# KiCad board coleco_original_main_only.kicad_pcb
title: Reverse Engineer Colecovision; date: 2023-03-14; rev: DEV; company: sparkletron; note: Jay Convertino; note: MIT LICENSE
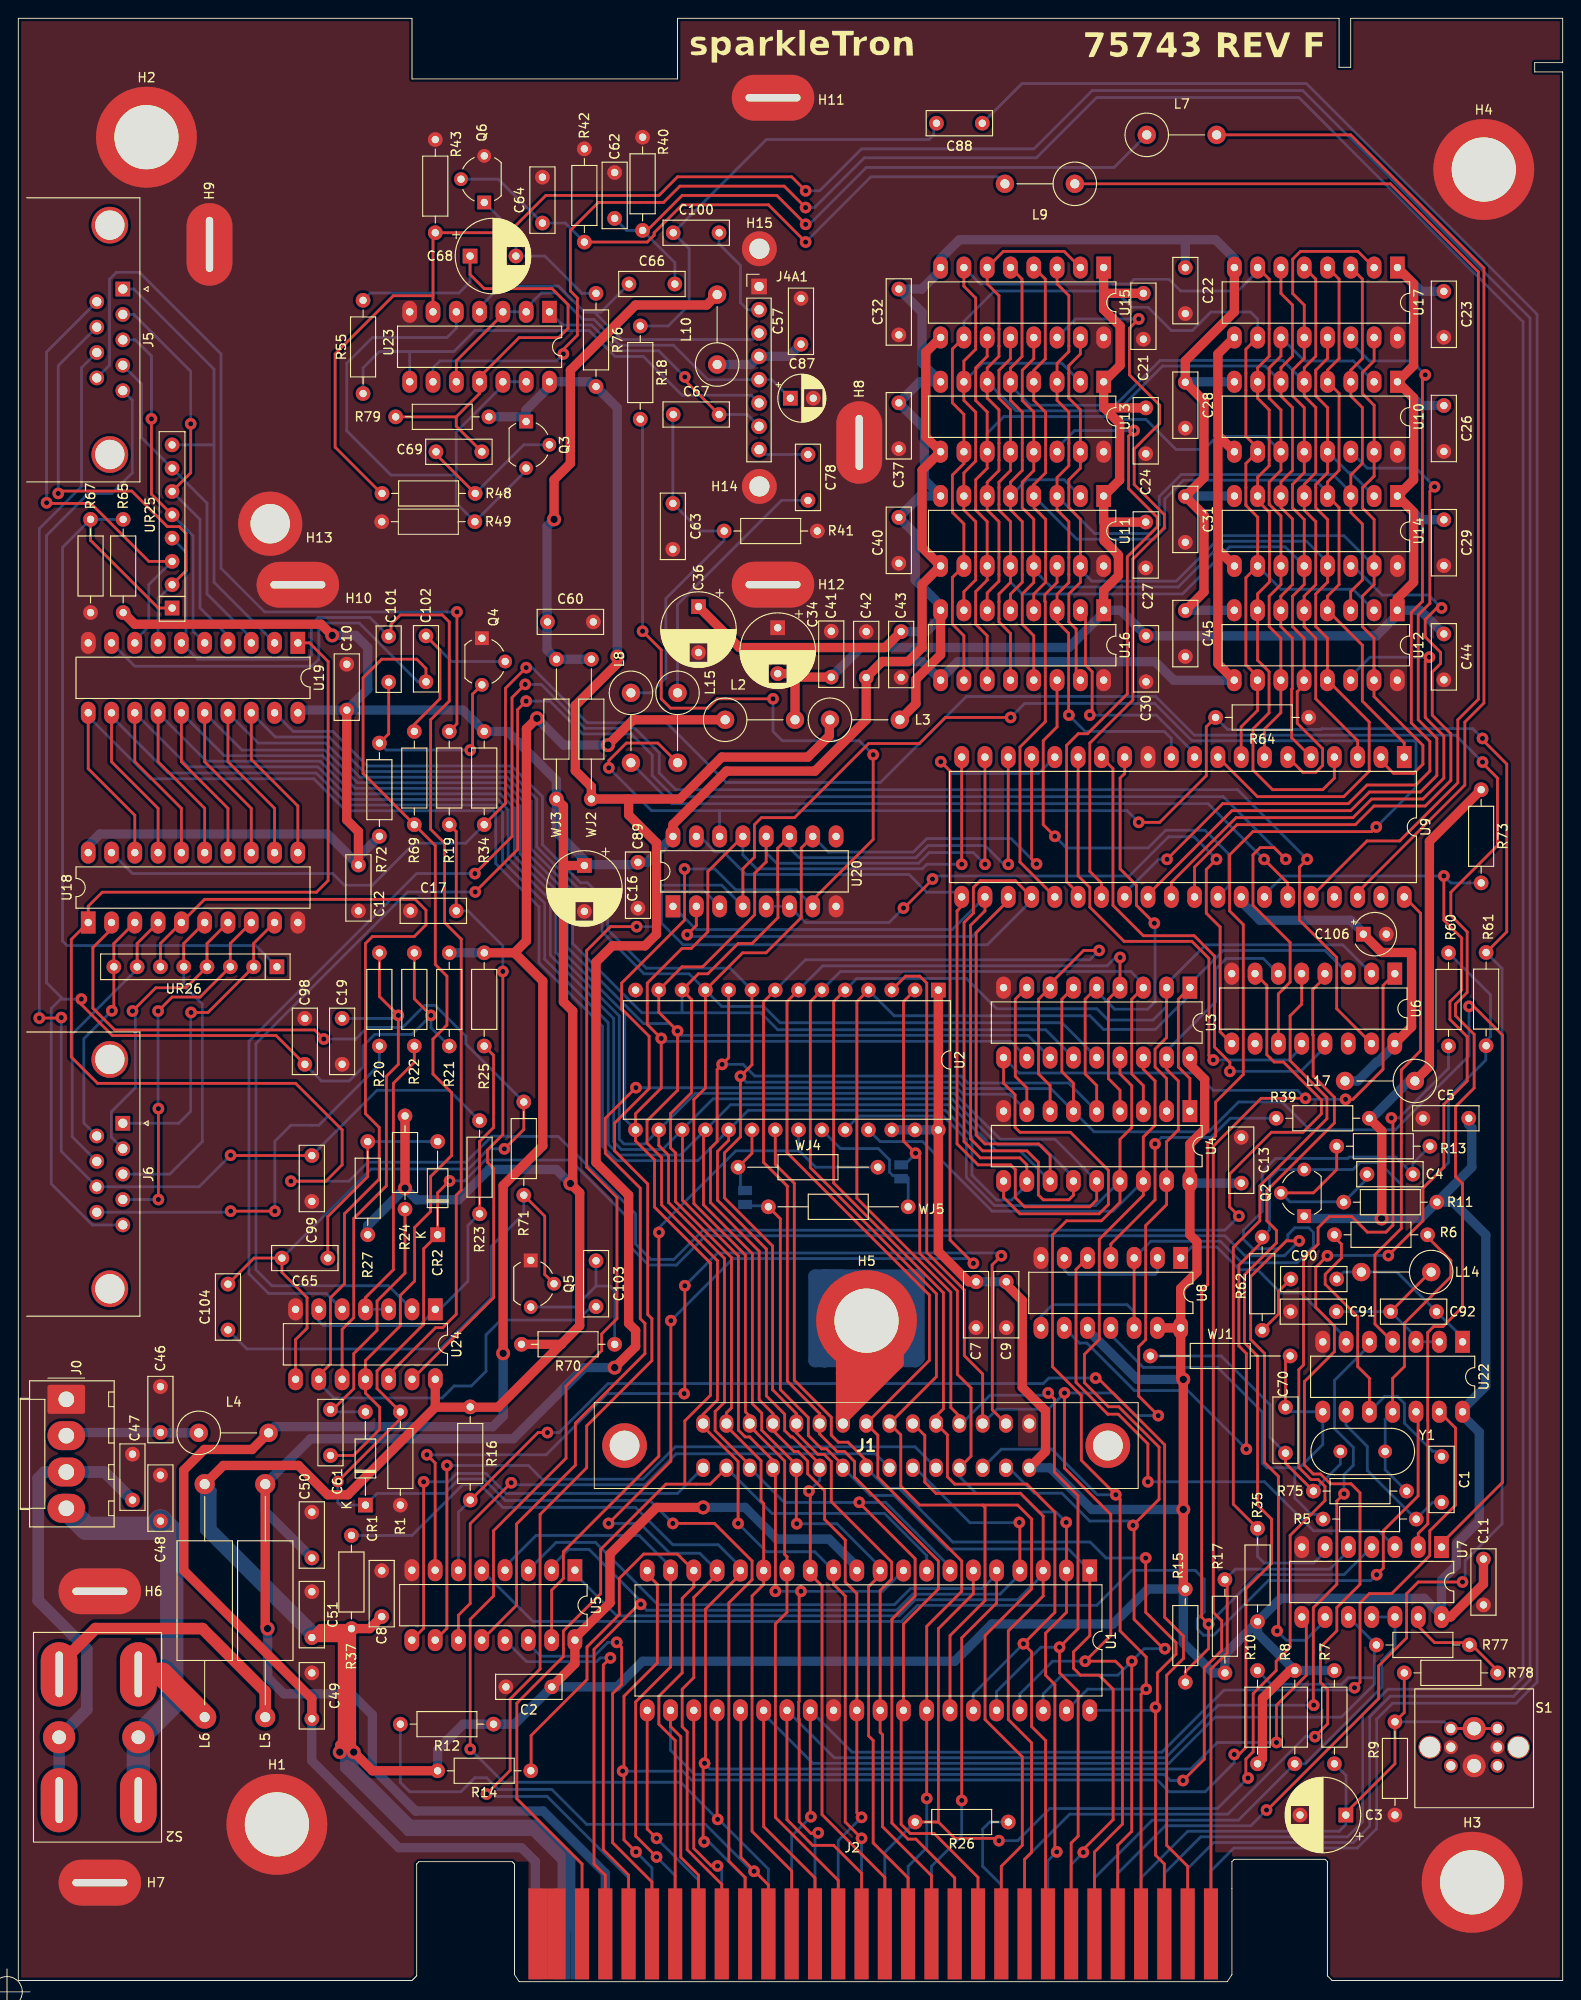
[diagram p0: board, top side]
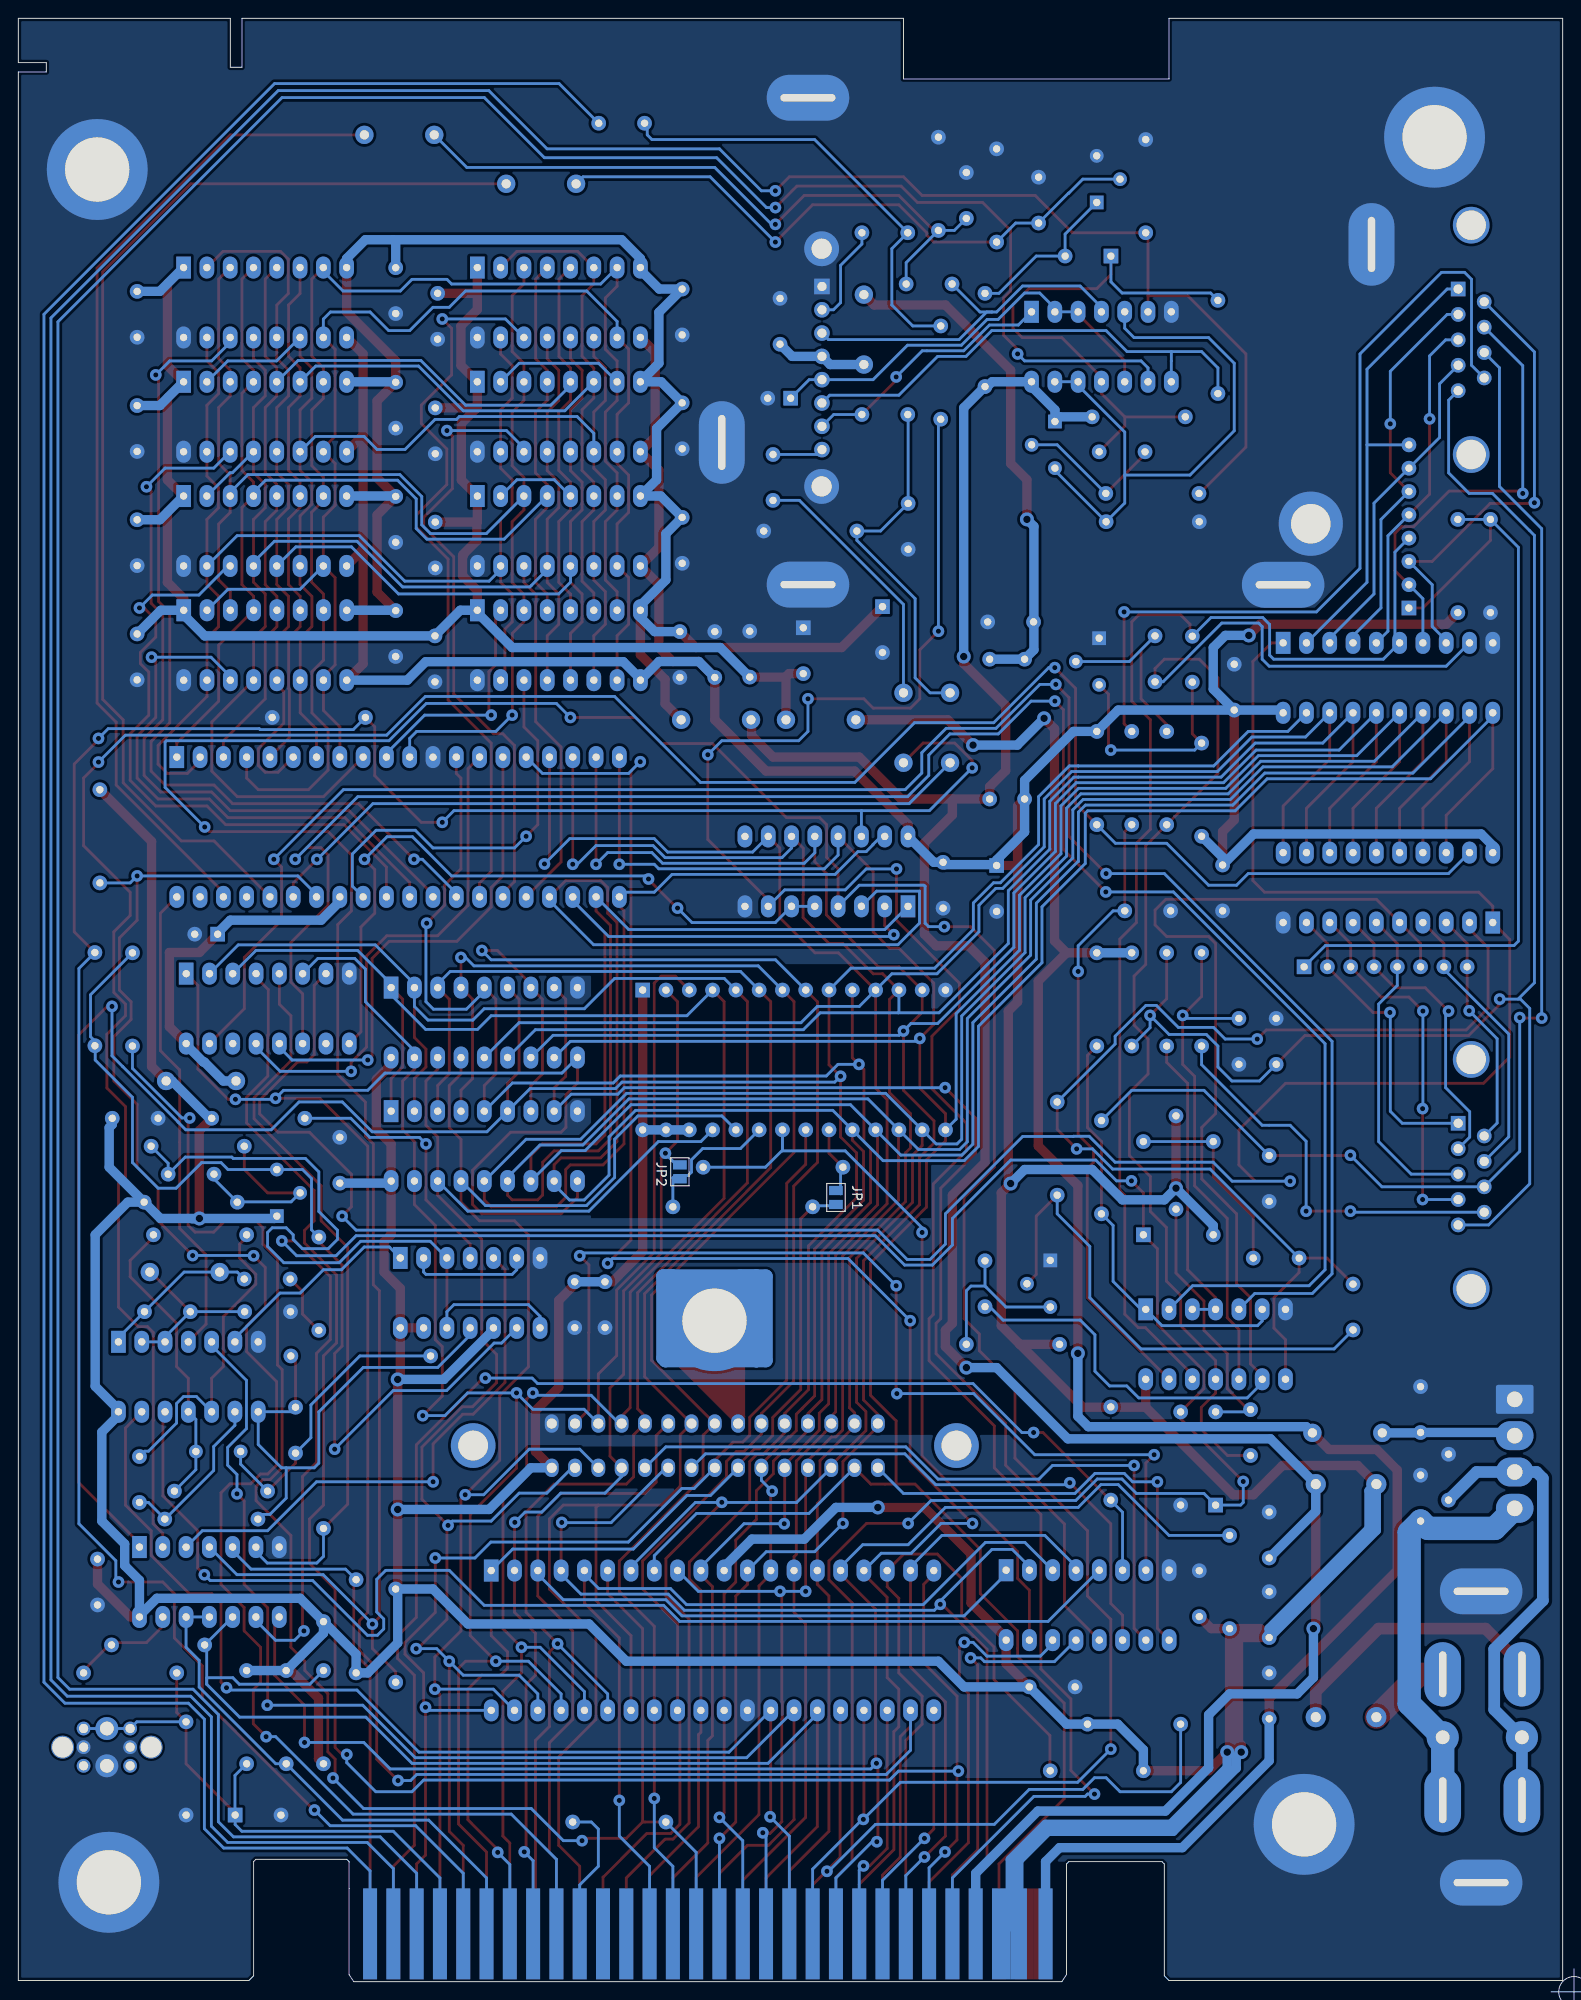
[diagram p1: board, bottom side, seen from below]

Outline 168.4 x 213.99 mm; copper layers: Top, Bottom. Coordinates in mm from the lower left corner of the outline.
Outline path: 54.1,10.16 54.1,12.83 53.85,13.08 43.69,13.08 43.43,12.83 43.43,0.63 42.93,0.13 0,0.13 0,213.99 42.93,213.99 42.93,207.39 71.88,207.39 71.88,213.99 144.02,213.99 144.02,208.66 145.29,208.66 145.29,213.99 168.4,213.99 168.4,209.17 165.35,209.17 165.35,208.15 168.4,208.15 168.4,0.13 143.26,0.13 142.75,0.63 142.75,13.08 142.49,13.33 132.59,13.33 132.33,13.08 132.33,10.16
Stack: Top 0.035mm / dielectric 1.51mm FR4 er 4.5 / Bottom 0.035mm

## Placement (name value [footprint] x y rotation side)
C1  10nF  [C_Disc_D7.0mm_W2.5mm_P5.00mm]  155.19 57.24 270 top
C2  100nF  [C_Disc_D7.0mm_W2.5mm_P5.00mm]  58.17 32.13 180 top
C3  10uF  [CP_Radial_D8.0mm_P5.00mm]  144.76 18.16 180 top
C4  68pF  [C_Disc_D7.0mm_W2.5mm_P5.00mm]  147.07 88.01 0 top
C5  100nF  [C_Disc_D7.0mm_W2.5mm_P5.00mm]  153.16 94.11 0 top
C7  100nF  [C_Disc_D7.0mm_W2.5mm_P5.00mm]  104.43 76.29 270 top
C8  100nF  [C_Disc_D7.0mm_W2.5mm_P5.00mm]  39.62 44.79 270 top
C9  100nF  [C_Disc_D7.0mm_W2.5mm_P5.00mm]  107.73 76.29 270 top
C10  100nF  [C_Disc_D7.0mm_W2.5mm_P5.00mm]  35.81 138.6 90 top
C11  100nF  [C_Disc_D7.0mm_W2.5mm_P5.00mm]  159.77 41.06 90 top
C12  100nF  [C_Disc_D7.0mm_W2.5mm_P5.00mm]  37.08 121.71 270 top
C13  100nF  [C_Disc_D7.0mm_W2.5mm_P5.00mm]  133.35 92.03 270 top
C16  10uF  [CP_Radial_D8.0mm_P5.00mm]  61.72 121.66 270 top
C17  100nF  [C_Disc_D7.0mm_W2.5mm_P5.00mm]  42.75 116.71 0 top
C19  100nF  [C_Disc_D7.0mm_W2.5mm_P5.00mm]  35.31 99.99 90 top
C21  100nF  [C_Disc_D7.0mm_W2.5mm_P5.00mm]  122.68 184.02 270 top
C22  100nF  [C_Disc_D7.0mm_W2.5mm_P5.00mm]  127.25 186.82 270 top
C23  100nF  [C_Disc_D7.0mm_W2.5mm_P5.00mm]  155.45 184.24 270 top
C24  100nF  [C_Disc_D7.0mm_W2.5mm_P5.00mm]  122.94 171.54 270 top
C26  100nF  [C_Disc_D7.0mm_W2.5mm_P5.00mm]  155.45 171.79 270 top
C27  100nF  [C_Disc_D7.0mm_W2.5mm_P5.00mm]  122.94 159.09 270 top
C28  100nF  [C_Disc_D7.0mm_W2.5mm_P5.00mm]  127.25 174.33 270 top
C29  100nF  [C_Disc_D7.0mm_W2.5mm_P5.00mm]  155.45 159.34 270 top
C30  100nF  [C_Disc_D7.0mm_W2.5mm_P5.00mm]  122.97 146.69 270 top
C31  100nF  [C_Disc_D7.0mm_W2.5mm_P5.00mm]  127.25 161.88 270 top
C32  100nF  [C_Disc_D7.0mm_W2.5mm_P5.00mm]  96.01 184.49 270 top
C34  10uF  [CP_Radial_D8.0mm_P5.00mm]  82.8 147.57 270 top
C36  10uF  [CP_Radial_D8.0mm_P5.00mm]  74.17 149.87 270 top
C37  100nF  [C_Disc_D7.0mm_W2.5mm_P5.00mm]  96.01 172.08 270 top
C40  100nF  [C_Disc_D7.0mm_W2.5mm_P5.00mm]  96.01 159.6 270 top
C41  100nF  [C_Disc_D7.0mm_W2.5mm_P5.00mm]  88.65 147.19 270 top
C42  100nF  [C_Disc_D7.0mm_W2.5mm_P5.00mm]  92.46 142.15 90 top
C43  100nF  [C_Disc_D7.0mm_W2.5mm_P5.00mm]  96.27 147.15 270 top
C44  100nF  [C_Disc_D7.0mm_W2.5mm_P5.00mm]  155.45 146.9 270 top
C45  100nF  [C_Disc_D7.0mm_W2.5mm_P5.00mm]  127.25 149.44 270 top
C46  100nF  [C_Disc_D7.0mm_W2.5mm_P5.00mm]  15.49 64.86 270 top
C47  100nF  [C_Disc_D7.0mm_W2.5mm_P5.00mm]  12.45 57.49 270 top
C48  100nF  [C_Disc_D7.0mm_W2.5mm_P5.00mm]  15.49 55.2 270 top
C49  100nF  [C_Disc_D7.0mm_W2.5mm_P5.00mm]  32 33.65 270 top
C50  100nF  [C_Disc_D7.0mm_W2.5mm_P5.00mm]  32 51.18 270 top
C51  100nF  [C_Disc_D7.0mm_W2.5mm_P5.00mm]  32 37.5 90 top
C57  10nF  [C_Disc_D7.0mm_W2.5mm_P5.00mm]  85.34 178.47 90 top
C60  47nF  [C_Disc_D7.0mm_W2.5mm_P5.00mm]  57.7 148.21 0 top
C61  10nF  [C_Disc_D7.0mm_W2.5mm_P5.00mm]  34.04 62.35 270 top
C62  470pF  [C_Disc_D7.0mm_W2.5mm_P5.00mm]  65.02 192.19 90 top
C63  470pF  [C_Disc_D7.0mm_W2.5mm_P5.00mm]  71.37 161.12 270 top
C64  120pF  [C_Disc_D7.0mm_W2.5mm_P5.00mm]  57.15 191.68 90 top
C65  10nF  [C_Disc_D7.0mm_W2.5mm_P5.00mm]  33.74 78.87 180 top
C66  100nF  [C_Disc_D7.0mm_W2.5mm_P5.00mm]  66.59 185.04 0 top
C67  100nF  [C_Disc_D7.0mm_W2.5mm_P5.00mm]  71.41 170.81 0 top
C68  10uF  [CP_Radial_D8.0mm_P5.00mm]  49.26 188.09 0 top
C69  47nF  [C_Disc_D7.0mm_W2.5mm_P5.00mm]  45.54 166.75 0 top
C70  68pF  [C_Disc_D7.0mm_W2.5mm_P5.00mm]  138.18 62.61 270 top
C78  10nF  [C_Disc_D7.0mm_W2.5mm_P5.00mm]  86.11 166.46 270 top
C87  10uF  [CP_Radial_D5.0mm_P2.50mm]  84.18 172.59 0 top
C88  100nF  [C_Disc_D7.0mm_W2.5mm_P5.00mm]  105.12 202.56 180 top
C89  100nF  [C_Disc_D7.0mm_W2.5mm_P5.00mm]  67.56 122.01 270 top
C90  120pF  [C_Disc_D7.0mm_W2.5mm_P5.00mm]  138.76 76.58 0 top
C91  150pF  [C_Disc_D7.0mm_W2.5mm_P5.00mm]  138.72 73.02 0 top
C92  82pF  [C_Disc_D7.0mm_W2.5mm_P5.00mm]  149.65 73.02 0 top
C98  10nF  [C_Disc_D7.0mm_W2.5mm_P5.00mm]  31.24 104.99 270 top
C99  10nF  [C_Disc_D7.0mm_W2.5mm_P5.00mm]  32 90.04 270 top
C100  100nF  [C_Disc_D7.0mm_W2.5mm_P5.00mm]  71.41 190.63 0 top
C101  47nF  [C_Disc_D7.0mm_W2.5mm_P5.00mm]  40.39 141.64 90 top
C102  100pF  [C_Disc_D7.0mm_W2.5mm_P5.00mm]  44.45 146.69 270 top
C103  47nF  [C_Disc_D7.0mm_W2.5mm_P5.00mm]  62.99 78.57 270 top
C104  100pF  [C_Disc_D7.0mm_W2.5mm_P5.00mm]  22.86 71.03 90 top
C106  10uF  [CP_Radial_Tantal_D4.5mm_P2.50mm]  146.67 114.17 0 top
CR1  1N914  [D_DO-35_SOD27_P10.16mm_Horizontal]  37.85 51.94 90 top
CR2  1N914  [D_DO-35_SOD27_P10.16mm_Horizontal]  45.72 81.41 90 top
H1  MountingHole_Pad  [MountingHole_7mm_M7]  28.19 17.14 0 top
H2  MountingHole_Pad  [MountingHole_7mm_M7]  13.97 201.04 0 top
H3  MountingHole_Pad  [MountingHole_7mm_M7]  158.53 10.83 0 top
H4  MountingHole_Pad  [MountingHole_7mm_M7]  159.8 197.52 0 top
H5  MountingHole_Pad  [MountingHole_7mm_M7]  92.49 72.04 0 top
H6  MountingHole_Pad  [SWITCH_MOUNT]  8.89 47.88 0 top
H7  MountingHole_Pad  [SWITCH_MOUNT]  8.89 16.13 0 top
H8  MountingHole_Pad  [RF_MOUNT]  86.36 167.77 90 top
H9  MountingHole_Pad  [RF_MOUNT]  15.51 189.36 90 top
H10  MountingHole_Pad  [RF_MOUNT]  30.48 157.59 0 top
H11  MountingHole_Pad  [RF_MOUNT]  82.3 210.67 0 top
H12  MountingHole_Pad  [RF_MOUNT]  82.3 157.61 0 top
H13  MountingHole_Pad  [MountingHole_4.3mm_M4_ISO14580_Pad]  27.47 158.91 0 top
H14  MountingHole_Pad  [MountingHole_2.2mm_M2_DIN965_Pad]  80.81 162.97 0 top
H15  MountingHole_Pad  [MountingHole_2.2mm_M2_DIN965_Pad]  80.81 188.88 0 top
J0  Conn_01x04  [Molex_KK-396_A-41791-0004_1x04_P3.96mm_Vertical]  5.23 63.47 270 top
J1  Cartridge Port  [55308412_coleco]  74.68 56.01 180 top
J2  Expansion Port  [Colecovision_Expansion]  90.68 3.3 0 top
J4A1  Conn_01x08  [PinHeader_1x08_P2.54mm_Vertical]  80.77 184.77 0 top
J5  Player 1  [DSUB-9_Male_Horizontal_P2.77x2.84mm_EdgePinOffset7.70mm_Housed_MountingHolesOffset9.12mm]  11.39 184.49 270 top
J6  Player 2  [DSUB-9_Male_Horizontal_P2.77x2.84mm_EdgePinOffset7.70mm_Housed_MountingHolesOffset9.12mm]  11.39 93.56 270 top
JP1  SolderJumper_2_Open  [SolderJumper-2_P1.3mm_Open_Pad1.0x1.5mm]  79.25 85.47 270 bottom
JP2  SolderJumper_2_Open  [SolderJumper-2_P1.3mm_Open_Pad1.0x1.5mm]  96.27 88.26 270 bottom
L2  10uH  [L_Axial_L11.0mm_D4.5mm_P7.62mm_Vertical_Fastron_MECC]  77.07 137.54 0 top
L3  10uH  [L_Axial_L11.0mm_D4.5mm_P7.62mm_Vertical_Fastron_MECC]  88.5 137.54 0 top
L4  10uH  [L_Axial_L11.0mm_D4.5mm_P7.62mm_Vertical_Fastron_MECC]  19.67 59.82 0 top
L5  12uH  [L_Axial_L12.8mm_D5.8mm_P25.40mm_Horizontal_Fastron_HBCC]  26.92 28.83 90 top
L6  12uH  [L_Axial_L12.8mm_D5.8mm_P25.40mm_Horizontal_Fastron_HBCC]  20.32 28.83 90 top
L7  120uH  [L_Axial_L11.0mm_D4.5mm_P7.62mm_Vertical_Fastron_MECC]  123.05 201.29 0 top
L8  120uH  [L_Axial_L11.0mm_D4.5mm_P7.62mm_Vertical_Fastron_MECC]  66.8 140.48 270 top
L9  42uH  [L_Axial_L11.0mm_D4.5mm_P7.62mm_Vertical_Fastron_MECC]  115.2 195.96 180 top
L10  10uH  [L_Axial_L11.0mm_D4.5mm_P7.62mm_Vertical_Fastron_MECC]  76.2 176.26 90 top
L14  2.7uH  [L_Axial_L11.0mm_D4.5mm_P7.62mm_Vertical_Fastron_MECC]  154.07 77.34 180 top
L15  42uH  [L_Axial_L11.0mm_D4.5mm_P7.62mm_Vertical_Fastron_MECC]  71.88 140.48 270 top
L17  42uH  [L_Axial_L11.0mm_D4.5mm_P7.62mm_Vertical_Fastron_MECC]  152.29 98.17 180 top
Q2  2N3906  [TO-92_Wide]  140.22 83.44 90 top
Q3  2N3906  [TO-92_Wide]  55.36 170.05 270 top
Q4  2N3904  [TO-92_Wide]  50.55 146.43 270 top
Q5  2N3904  [TO-92_Wide]  55.87 78.61 270 top
Q6  2N3906  [TO-92_Wide]  50.81 193.93 90 top
R1  1K5  [R_Axial_DIN0207_L6.3mm_D2.5mm_P10.16mm_Horizontal]  41.66 51.94 90 top
R5  820R  [R_Axial_DIN0207_L6.3mm_D2.5mm_P10.16mm_Horizontal]  142.27 50.42 0 top
R6  820R  [R_Axial_DIN0207_L6.3mm_D2.5mm_P10.16mm_Horizontal]  143.51 81.41 0 top
R7  91K  [R_Axial_DIN0207_L6.3mm_D2.5mm_P10.16mm_Horizontal]  143.51 33.91 270 top
R8  3K3  [R_Axial_DIN0207_L6.3mm_D2.5mm_P10.16mm_Horizontal]  139.19 33.91 270 top
R9  1M  [R_Axial_DIN0207_L6.3mm_D2.5mm_P10.16mm_Horizontal]  150.11 28.32 270 top
R10  3K3  [R_Axial_DIN0207_L6.3mm_D2.5mm_P10.16mm_Horizontal]  135.13 23.75 90 top
R11  180R  [R_Axial_DIN0207_L6.3mm_D2.5mm_P10.16mm_Horizontal]  144.53 84.96 0 top
R12  3K3  [R_Axial_DIN0207_L6.3mm_D2.5mm_P10.16mm_Horizontal]  51.82 28.07 180 top
R13  1K1  [R_Axial_DIN0207_L6.3mm_D2.5mm_P10.16mm_Horizontal]  143.76 91.06 0 top
R14  3K3  [R_Axial_DIN0207_L6.3mm_D2.5mm_P10.16mm_Horizontal]  55.88 22.99 180 top
R15  2K7  [R_Axial_DIN0207_L6.3mm_D2.5mm_P10.16mm_Horizontal]  127.25 42.8 270 top
R16  3K3  [R_Axial_DIN0207_L6.3mm_D2.5mm_P10.16mm_Horizontal]  49.28 62.64 270 top
R17  3K3  [R_Axial_DIN0207_L6.3mm_D2.5mm_P10.16mm_Horizontal]  131.57 33.65 90 top
R18  1K8  [R_Axial_DIN0207_L6.3mm_D2.5mm_P10.16mm_Horizontal]  67.82 180.47 270 top
R19  1K8  [R_Axial_DIN0207_L6.3mm_D2.5mm_P10.16mm_Horizontal]  46.99 136.27 270 top
R20  1K8  [R_Axial_DIN0207_L6.3mm_D2.5mm_P10.16mm_Horizontal]  39.37 101.98 90 top
R21  1K5  [R_Axial_DIN0207_L6.3mm_D2.5mm_P10.16mm_Horizontal]  46.99 101.98 90 top
R22  120R  [R_Axial_DIN0207_L6.3mm_D2.5mm_P10.16mm_Horizontal]  43.18 112.14 270 top
R23  120R  [R_Axial_DIN0207_L6.3mm_D2.5mm_P10.16mm_Horizontal]  50.29 93.85 270 top
R24  100K  [R_Axial_DIN0207_L6.3mm_D2.5mm_P10.16mm_Horizontal]  42.16 94.36 270 top
R25  1K5  [R_Axial_DIN0207_L6.3mm_D2.5mm_P10.16mm_Horizontal]  50.8 101.98 90 top
R26  470R  [R_Axial_DIN0207_L6.3mm_D2.5mm_P10.16mm_Horizontal]  107.95 17.4 180 top
R27  100K  [R_Axial_DIN0207_L6.3mm_D2.5mm_P10.16mm_Horizontal]  38.1 81.41 90 top
R34  3K3  [R_Axial_DIN0207_L6.3mm_D2.5mm_P10.16mm_Horizontal]  50.8 126.11 90 top
R35  3K3  [R_Axial_DIN0207_L6.3mm_D2.5mm_P10.16mm_Horizontal]  135.13 39.24 90 top
R37  3K3  [R_Axial_DIN0207_L6.3mm_D2.5mm_P10.16mm_Horizontal]  36.32 38.48 90 top
R39  1K  [R_Axial_DIN0207_L6.3mm_D2.5mm_P10.16mm_Horizontal]  137.16 94.11 0 top
R40  390R  [R_Axial_DIN0207_L6.3mm_D2.5mm_P10.16mm_Horizontal]  68.07 190.88 90 top
R41  390R  [R_Axial_DIN0207_L6.3mm_D2.5mm_P10.16mm_Horizontal]  76.96 158.11 0 top
R42  390R  [R_Axial_DIN0207_L6.3mm_D2.5mm_P10.16mm_Horizontal]  61.72 189.61 90 top
R43  10K  [R_Axial_DIN0207_L6.3mm_D2.5mm_P10.16mm_Horizontal]  45.47 200.79 270 top
R48  470K  [R_Axial_DIN0207_L6.3mm_D2.5mm_P10.16mm_Horizontal]  39.66 162.21 0 top
R49  10K  [R_Axial_DIN0207_L6.3mm_D2.5mm_P10.16mm_Horizontal]  49.78 159.13 180 top
R55  1K8  [R_Axial_DIN0207_L6.3mm_D2.5mm_P10.16mm_Horizontal]  37.59 173.1 90 top
R60  47R  [R_Axial_DIN0207_L6.3mm_D2.5mm_P10.16mm_Horizontal]  155.96 101.98 90 top
R61  1K  [R_Axial_DIN0207_L6.3mm_D2.5mm_P10.16mm_Horizontal]  160.05 112.17 270 top
R62  270R  [R_Axial_DIN0207_L6.3mm_D2.5mm_P10.16mm_Horizontal]  135.64 81.15 270 top
R64  1K  [R_Axial_DIN0207_L6.3mm_D2.5mm_P10.16mm_Horizontal]  140.72 137.79 180 top
R65  270R  [R_Axial_DIN0207_L6.3mm_D2.5mm_P10.16mm_Horizontal]  11.43 149.22 90 top
R67  270R  [R_Axial_DIN0207_L6.3mm_D2.5mm_P10.16mm_Horizontal]  7.87 149.22 90 top
R69  22K  [R_Axial_DIN0207_L6.3mm_D2.5mm_P10.16mm_Horizontal]  43.18 126.11 90 top
R70  10K  [R_Axial_DIN0207_L6.3mm_D2.5mm_P10.16mm_Horizontal]  65.02 69.47 180 top
R71  22K  [R_Axial_DIN0207_L6.3mm_D2.5mm_P10.16mm_Horizontal]  55.12 95.88 270 top
R72  10K  [R_Axial_DIN0207_L6.3mm_D2.5mm_P10.16mm_Horizontal]  39.37 135 270 top
R73  4K7  [R_Axial_DIN0207_L6.3mm_D2.5mm_P10.16mm_Horizontal]  159.51 129.92 270 top
R75  DNP  [R_Axial_DIN0207_L6.3mm_D2.5mm_P10.16mm_Horizontal]  151.38 53.47 180 top
R76  1K8  [R_Axial_DIN0207_L6.3mm_D2.5mm_P10.16mm_Horizontal]  62.99 184.02 270 top
R77  22K  [R_Axial_DIN0207_L6.3mm_D2.5mm_P10.16mm_Horizontal]  158.24 36.7 180 top
R78  1K  [R_Axial_DIN0207_L6.3mm_D2.5mm_P10.16mm_Horizontal]  161.29 33.65 180 top
R79  1K5  [R_Axial_DIN0207_L6.3mm_D2.5mm_P10.16mm_Horizontal]  51.31 170.56 180 top
S1  SW_SPST  [Coleco_RST]  158.75 31.91 0 top
S2  SW_DPDT_x2  [DPDT_GF-626-0061]  8.76 15.21 180 top
S3  board_rev  [board_revision]  129.29 211.2 0 top
S4  -  [sparkletron]  85.34 210.95 0 top
U1  Z80CPU  [DIP-40_W15.24mm_LongPads]  116.84 44.81 270 top
U2  27C256  [DIP-28_W15.24mm]  100.32 108.08 270 top
U3  SCM2114AL  [DIP-18_W7.62mm_LongPads]  127.75 108.35 270 top
U4  SCM2114AL  [DIP-18_W7.62mm_LongPads]  127.75 94.88 270 top
U5  74LS138  [DIP-16_W7.62mm_LongPads]  60.69 44.85 270 top
U6  74LS138  [DIP-16_W7.62mm_LongPads]  150.1 109.87 270 top
U7  74LS05  [DIP-14_W7.62mm_LongPads]  155.19 47.37 270 top
U8  74LS74  [DIP-14_W7.62mm_LongPads]  126.75 78.88 270 top
U9  TMS9928A  [DIP-40_W15.24mm_LongPads]  151.12 133.48 270 top
U10  MK4116P  [DIP-16_W7.62mm_LongPads]  150.38 174.38 270 top
U11  MK4116P  [DIP-16_W7.62mm_LongPads]  118.35 161.93 270 top
U12  MK4116P  [DIP-16_W7.62mm_LongPads]  150.37 149.48 270 top
U13  MK4116P  [DIP-16_W7.62mm_LongPads]  118.35 174.38 270 top
U14  MK4116P  [DIP-16_W7.62mm_LongPads]  150.38 161.93 270 top
U15  MK4116P  [DIP-16_W7.62mm_LongPads]  118.35 186.83 270 top
U16  MK4116P  [DIP-16_W7.62mm_LongPads]  118.35 149.48 270 top
U17  MK4116P  [DIP-16_W7.62mm_LongPads]  150.38 186.83 270 top
U18  74LS541  [DIP-20_W7.62mm_LongPads]  7.62 115.44 90 top
U19  74LS541  [DIP-20_W7.62mm_LongPads]  30.48 145.92 270 top
U20  SN76489AN  [DIP-16_W7.62mm_LongPads]  71.39 117.21 90 top
U22  74LS04  [DIP-14_W7.62mm_LongPads]  157.49 69.74 270 top
U23  4066  [DIP-14_W7.62mm_LongPads]  57.92 182.01 270 top
U24  74LS00  [DIP-14_W7.62mm_LongPads]  45.47 73.28 270 top
UR25  22K  [R_Array_SIP8]  16.76 149.72 90 top
UR26  22K  [R_Array_SIP8]  28.19 110.62 180 top
WJ1  Jumper_2_Open  [R_Axial_DIN0207_L6.3mm_D2.5mm_P15.24mm_Horizontal]  123.44 68.2 0 top
WJ2  Jumper_2_Bridged  [R_Axial_DIN0207_L6.3mm_D2.5mm_P15.24mm_Horizontal]  62.48 128.9 90 top
WJ3  Jumper_2_Open  [R_Axial_DIN0207_L6.3mm_D2.5mm_P15.24mm_Horizontal]  58.67 144.14 270 top
WJ4  Jumper_2_Bridged_32K_ROM  [R_Axial_DIN0207_L6.3mm_D2.5mm_P15.24mm_Horizontal]  78.49 88.77 0 top
WJ5  Jumper_2_Bridged_32K_ROM  [R_Axial_DIN0207_L6.3mm_D2.5mm_P15.24mm_Horizontal]  81.79 84.45 0 top
Y1  7.159090Mhz  [Crystal_HC49-U_Vertical]  149.04 57.78 180 top

## Footprints (pads in the part's own frame, mm; a bottom-side part is the same pattern mirrored in y, then rotated)
55308412_coleco
  oval 1.5x2 hole 1.1: 1(0,-4.826) 2(0,0) 3(-2.54,-4.826) 4(-2.54,0) 5(-5.08,-4.826) 6(-5.08,0) 7(-7.62,-4.826) 8(-7.62,0) 9(-10.16,-4.826) 10(-10.16,0) 11(-12.7,-4.826) 12(-12.7,0) 13(-15.24,-4.826) 14(-15.24,0) 15(-17.78,-4.826) 16(-17.78,0) 17(-20.32,-4.826) 18(-20.32,0) 19(-22.86,-4.826) 20(-22.86,0) 21(-25.4,-4.826) 22(-25.4,0) 23(-27.94,-4.826) 24(-27.94,0) 25(-30.48,-4.826) 26(-30.48,0) 27(-33.02,-4.826) 28(-33.02,0) 29(-35.56,-4.826) 30(-35.56,0)
  round 4.875 hole 3.25: MH1(8.57,-2.425) MH2(-44.13,-2.425)
C_Disc_D7.0mm_W2.5mm_P5.00mm
  round 1.6 hole 0.8: 1(0,0) 2(5,0)
Coleco_RST
  round 1.5 hole 1: 1(-2.54,-4.318) 1(2.54,-4.318) 2(-2.54,-6.35) 2(2.54,-6.35) 3(-2.54,-8.382) 3(2.54,-8.382)
  round 2.5 hole 1.5: 1(0,-4.318) 2(0,-8.382)
  round 2.5 hole 2.25: NA(-4.826,-6.35) NA(4.826,-6.35)
Colecovision_Expansion
  rect 2.032x9.906 smd: 1(-34.036,1.905) 2(-32.004,1.905)
  rect 1.524x9.906 smd: 3(-29.21,1.905) 4(-26.67,1.905) 5(-24.13,1.905) 6(-21.59,1.905) 7(-19.05,1.905) 8(-16.51,1.905) 9(-13.97,1.905) 10(-11.43,1.905) 11(-8.89,1.905) 12(-6.35,1.905) 13(-3.81,1.905) 14(-1.27,1.905) 15(1.27,1.905) 16(3.81,1.905) 17(6.35,1.905) 18(8.89,1.905) 19(11.43,1.905) 20(13.97,1.905) 21(16.51,1.905) 22(19.05,1.905) 23(21.59,1.905) 24(24.13,1.905) 25(26.67,1.905) 26(29.21,1.905) 27(31.75,1.905) 28(34.29,1.905) 29(36.83,1.905) 30(39.37,1.905)
  rect 1.524x9.906 smd far side: 31(39.37,1.905) 32(36.83,1.905) 33(34.29,1.905) 34(31.75,1.905) 35(29.21,1.905) 36(26.67,1.905) 37(24.13,1.905) 38(21.59,1.905) 39(19.05,1.905) 40(16.51,1.905) 41(13.97,1.905) 42(11.43,1.905) 43(8.89,1.905) 44(6.35,1.905) 45(3.81,1.905) 46(1.27,1.905) 47(-1.27,1.905) 48(-3.81,1.905) 49(-6.35,1.905) 50(-8.89,1.905) 51(-11.43,1.905) 52(-13.97,1.905) 53(-16.51,1.905) 54(-19.05,1.905) 55(-21.59,1.905) 56(-24.13,1.905) 57(-26.67,1.905) 60(-34.29,1.905)
  rect 2.032x9.906 smd far side: 58(-29.464,1.905)
  rect 1.778x9.906 smd far side: 59(-31.369,1.905)
CP_Radial_D5.0mm_P2.50mm
  rect 1.6x1.6 hole 0.8: 1(0,0)
  round 1.6 hole 0.8: 2(2.5,0)
CP_Radial_D8.0mm_P5.00mm
  rect 1.6x1.6 hole 0.8: 1(0,0)
  round 1.6 hole 0.8: 2(5,0)
CP_Radial_Tantal_D4.5mm_P2.50mm
  rect 1.6x1.6 hole 0.8: 1(0,0)
  round 1.6 hole 0.8: 2(2.5,0)
Crystal_HC49-U_Vertical
  round 1.5 hole 0.8: 1(0,0) 2(4.88,0)
D_DO-35_SOD27_P10.16mm_Horizontal
  rect 1.6x1.6 hole 0.8: 1(0,0)
  oval 1.6x1.6 hole 0.8: 2(10.16,0)
DIP-14_W7.62mm_LongPads
  rect 2.4x1.6 hole 0.8: 1(0,0)
  oval 2.4x1.6 hole 0.8: 2(0,-2.54) 3(0,-5.08) 4(0,-7.62) 5(0,-10.16) 6(0,-12.7) 7(0,-15.24) 8(7.62,-15.24) 9(7.62,-12.7) 10(7.62,-10.16) 11(7.62,-7.62) 12(7.62,-5.08) 13(7.62,-2.54) 14(7.62,0)
DIP-16_W7.62mm_LongPads
  rect 2.4x1.6 hole 0.8: 1(0,0)
  oval 2.4x1.6 hole 0.8: 2(0,-2.54) 3(0,-5.08) 4(0,-7.62) 5(0,-10.16) 6(0,-12.7) 7(0,-15.24) 8(0,-17.78) 9(7.62,-17.78) 10(7.62,-15.24) 11(7.62,-12.7) 12(7.62,-10.16) 13(7.62,-7.62) 14(7.62,-5.08) 15(7.62,-2.54) 16(7.62,0)
DIP-18_W7.62mm_LongPads
  rect 2.4x1.6 hole 0.8: 1(0,0)
  oval 2.4x1.6 hole 0.8: 2(0,-2.54) 3(0,-5.08) 4(0,-7.62) 5(0,-10.16) 6(0,-12.7) 7(0,-15.24) 8(0,-17.78) 9(0,-20.32) 10(7.62,-20.32) 11(7.62,-17.78) 12(7.62,-15.24) 13(7.62,-12.7) 14(7.62,-10.16) 15(7.62,-7.62) 16(7.62,-5.08) 17(7.62,-2.54) 18(7.62,0)
DIP-20_W7.62mm_LongPads
  rect 2.4x1.6 hole 0.8: 1(0,0)
  oval 2.4x1.6 hole 0.8: 2(0,-2.54) 3(0,-5.08) 4(0,-7.62) 5(0,-10.16) 6(0,-12.7) 7(0,-15.24) 8(0,-17.78) 9(0,-20.32) 10(0,-22.86) 11(7.62,-22.86) 12(7.62,-20.32) 13(7.62,-17.78) 14(7.62,-15.24) 15(7.62,-12.7) 16(7.62,-10.16) 17(7.62,-7.62) 18(7.62,-5.08) 19(7.62,-2.54) 20(7.62,0)
DIP-28_W15.24mm
  rect 1.6x1.6 hole 0.8: 1(0,0)
  oval 1.6x1.6 hole 0.8: 2(0,-2.54) 3(0,-5.08) 4(0,-7.62) 5(0,-10.16) 6(0,-12.7) 7(0,-15.24) 8(0,-17.78) 9(0,-20.32) 10(0,-22.86) 11(0,-25.4) 12(0,-27.94) 13(0,-30.48) 14(0,-33.02) 15(15.24,-33.02) 16(15.24,-30.48) 17(15.24,-27.94) 18(15.24,-25.4) 19(15.24,-22.86) 20(15.24,-20.32) 21(15.24,-17.78) 22(15.24,-15.24) 23(15.24,-12.7) 24(15.24,-10.16) 25(15.24,-7.62) 26(15.24,-5.08) 27(15.24,-2.54) 28(15.24,0)
DIP-40_W15.24mm_LongPads
  rect 2.4x1.6 hole 0.8: 1(0,0)
  oval 2.4x1.6 hole 0.8: 2(0,-2.54) 3(0,-5.08) 4(0,-7.62) 5(0,-10.16) 6(0,-12.7) 7(0,-15.24) 8(0,-17.78) 9(0,-20.32) 10(0,-22.86) 11(0,-25.4) 12(0,-27.94) 13(0,-30.48) 14(0,-33.02) 15(0,-35.56) 16(0,-38.1) 17(0,-40.64) 18(0,-43.18) 19(0,-45.72) 20(0,-48.26) 21(15.24,-48.26) 22(15.24,-45.72) 23(15.24,-43.18) 24(15.24,-40.64) 25(15.24,-38.1) 26(15.24,-35.56) 27(15.24,-33.02) 28(15.24,-30.48) 29(15.24,-27.94) 30(15.24,-25.4) 31(15.24,-22.86) 32(15.24,-20.32) 33(15.24,-17.78) 34(15.24,-15.24) 35(15.24,-12.7) 36(15.24,-10.16) 37(15.24,-7.62) 38(15.24,-5.08) 39(15.24,-2.54) 40(15.24,0)